# Altium PCB FlatSat.PcbDoc (part 11 of 12)
Units mil, origin at the board's own origin, x right, y up, seen from the top; angles counter-clockwise.
Board outline 4682 x 22047 mil, 4 copper layers (Top Layer, STR GND 1, STR GND 2, Bottom Layer), stack 33.434 mil thick; 381 components, 345 nets, 1605 pads, 1915 vias.
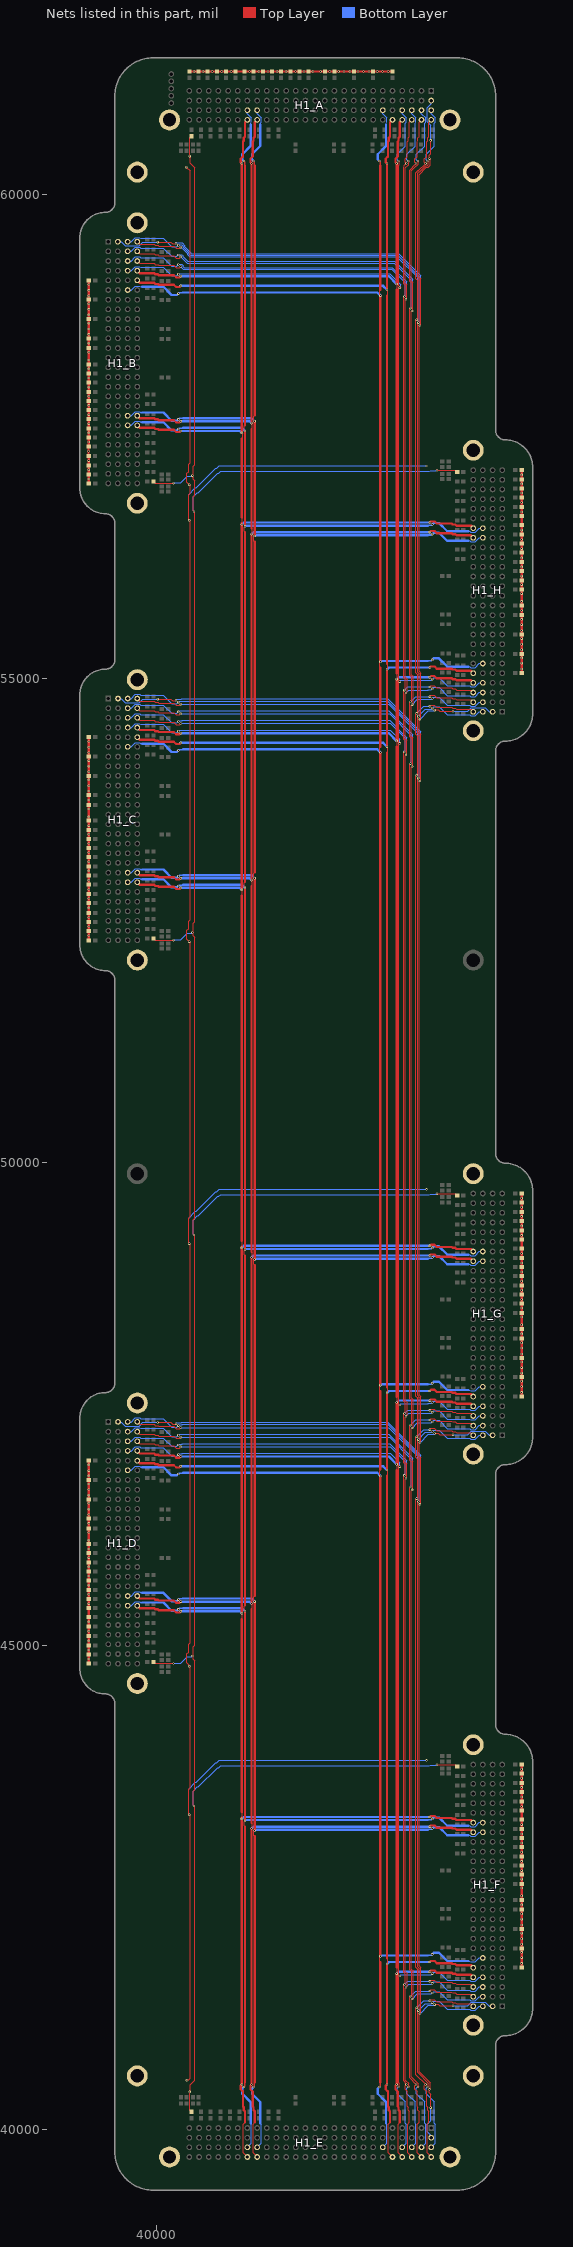
[diagram p13: the nets of this part, all layers, seen from the top]

## Via types
v1: diameter 24, hole 8, Top Layer to Bottom Layer, 1915 vias

## Nets (pads, with @x,y where several pads share a name; then routed paths per layer and width w, separated by ;. In a path a pad name is that pad's centre, name@x,y a point inside that pad or via, vN(x,y) a via of type N, cw(c..) or ccw(c..) an arc to the next point about the centre after c; other vN are vias at no path point) (continued)
RBF_SW_1: H1_A.89 H1_B.89 H1_C.89 H1_D.89 H1_E.89 H1_F.89 H1_G.89 H1_H.89 | length 32694.2
  Top Layer w8: 41012,43028 41004,43036 41004,43080 v1(41012,43088) ; v1(41012,45455) 41004,45463 41004,45507 41012,45515 ; 41012,48933 41004,48941 41004,48985 v1(41012,48993) ; v1(41012,52935) 41004,52943 41004,52987 41012,52995 ; 41012,56413 41004,56421 41004,56465 v1(41012,56473) ; v1(41012,57660) 41004,57668 41004,57712 41012,57720
  Top Layer w16: v1(41000,40436) 41009,40445 41009,40475 41012,40478 41012,40483 ; v1(41000,60351) 41009,60342 41009,60312 41012,60309 41012,60304
  Top Layer w24: 41012,40483 41012,43028 ; v1(41012,43088) v1(41012,45455) ; 41012,45515 41012,48933 ; v1(41012,48993) v1(41012,52935) ; 41012,52995 41012,56413 ; v1(41012,56473) v1(41012,57660) ; 41012,57720 41012,60304
  Bottom Layer w8: H1_D.89@39698,45512 39735,45512 39777.53,45554.53 39823.47,45554.53 39833,45545 39848,45545 ; H1_C.89@39698,52992 39735,52992 39777.53,53034.53 39823.47,53034.53 39833,53025 39848,53025 ; H1_B.89@39698,57717 39735,57717 39776.53,57758.53 39824.47,57758.53 39833,57750 39848,57750 ; H1_E.89@41037,39812 41078.53,39853.53 41078.53,40052.47 41070,40061 ; H1_A.89@41037,60876 41037,60839 41078.53,60797.47 41078.53,60749.53 41070,60741 41070,60726 ; 43223,43038 43238,43038 43247.53,43028.47 43293.47,43028.47 43336,43071 H1_F.89@43373,43071 ; 43223,48943 43238,48943 43247.53,48933.47 43293.47,48933.47 43336,48976 H1_G.89@43373,48976 ; 43223,56423 43238,56423 43247.53,56413.47 43293.47,56413.47 43336,56456 H1_H.89@43373,56456
  Bottom Layer w16: v1(40223,45475) 40232,45484 40262,45484 ; v1(40223,52955) 40232,52964 40262,52964 ; v1(40223,57680) 40232,57689 40262,57689 ; 40265,45487 40270,45487 ; 40265,52967 40270,52967 ; 40265,57692 40270,57692 ; 42801,43096 42806,43096 ; 42801,49001 42806,49001 ; 42801,56481 42806,56481 ; 42809,43099 42839,43099 v1(42848,43108) ; 42809,49004 42839,49004 v1(42848,49013) ; 42809,56484 42839,56484 v1(42848,56493)
  Bottom Layer w22: 40208,45460 v1(40223,45475) ; 40208,52940 v1(40223,52955) ; 40208,57665 v1(40223,57680) ; 40985,40421 v1(41000,40436) ; 40985,60366 v1(41000,60351) ; v1(42848,43108) 42863,43123 ; v1(42848,49013) 42863,49028 ; v1(42848,56493) 42863,56508
  Bottom Layer w24: 39848,45545 40068,45545 40153,45460 40208,45460 ; 39848,53025 40068,53025 40153,52940 40208,52940 ; 39848,57750 40068,57750 40153,57665 40208,57665 ; 40270,45487 40980,45487 v1(41012,45455) ; 40270,52967 40980,52967 v1(41012,52935) ; 40270,57692 40980,57692 v1(41012,57660) ; 40985,40421 40985,40366 41070,40281 41070,40061 ; 40985,60366 40985,60421 41070,60506 41070,60726 ; v1(41012,43088) 41020,43096 42801,43096 ; v1(41012,48993) 41020,49001 42801,49001 ; v1(41012,56473) 41020,56481 42801,56481 ; 42863,43123 42918,43123 43003,43038 43223,43038 ; 42863,49028 42918,49028 43003,48943 43223,48943 ; 42863,56508 42918,56508 43003,56423 43223,56423
RBF_SW_2: H1_A.90 H1_B.90 H1_C.90 H1_D.90 H1_E.90 H1_F.90 H1_G.90 H1_H.90 | length 31852.9
  Top Layer w8: 40980,57580 40988,57588 40988,57632 v1(40980,57640) ; 41012,40069 40995.47,40052.47 40995.47,39753.53 H1_E.90@41037,39712
  Top Layer w12: v1@40980,43107 40986,43113 40986,43162 40980,43168 ; 40980,45375 40986,45381 40986,45429 v1(40980,45435) ; v1@40980,49012 40986,49018 40986,49067 40980,49073 ; 40980,52855 40986,52861 40986,52909 v1(40980,52915) ; v1@40980,56492 40986,56498 40986,56547 40980,56553
  Top Layer w22: 40177,45466 40200,45443 40236.25,45443 v1@40248.13,45454.87 ; 40177,52946 40200,52923 40236.25,52923 v1@40248.13,52934.87 ; 40177,57671 40200,57648 40236.25,57648 v1@40248.13,57659.87 ; v1@40979.87,40461.13 40968,40449.25 40968,40413 40991,40390 ; v1@40979.87,60325.87 40968,60337.75 40968,60374 40991,60397 ; v1@42822.87,43128.13 42834.75,43140 42871,43140 42894,43117 ; v1@42822.87,49033.13 42834.75,49045 42871,49045 42894,49022 ; v1@42822.87,56513.13 42834.75,56525 42871,56525 42894,56502
  Top Layer w24: H1_D.90@39798,45512 39823,45487 39972,45487 39984,45475 40012.6,45475 40021.6,45466 40177,45466 ; H1_C.90@39798,52992 39823,52967 39972,52967 39984,52955 40012.6,52955 40021.6,52946 40177,52946 ; H1_B.90@39798,57717 39823,57692 39972,57692 39984,57680 40012.6,57680 40021.6,57671 40177,57671 ; v1(40980,40461) v1@40980,43107 ; 40980,43168 40980,45375 ; v1(40980,45435) v1@40980,49012 ; 40980,49073 40980,52855 ; v1(40980,52915) v1@40980,56492 ; 40980,56553 40980,57580 ; v1(40980,57640) v1(40980,60326) ; 40991,40390 40991,40234.6 41000,40225.6 41000,40197 41012,40185 41012,40069 ; 40991,60397 40991,60552.4 41000,60561.4 41000,60590 41012,60602 41012,60751 H1_A.90@41037,60776 ; 42894,43117 43049.4,43117 43058.4,43108 43087,43108 43099,43096 43248,43096 H1_F.90@43273,43071 ; 42894,49022 43049.4,49022 43058.4,49013 43087,49013 43099,49001 43248,49001 H1_G.90@43273,48976 ; 42894,56502 43049.4,56502 43058.4,56493 43087,56493 43099,56481 43248,56481 H1_H.90@43273,56456
  Bottom Layer w24: v1(40248,45455) 40960,45455 v1(40980,45435) ; v1(40248,52935) 40960,52935 v1(40980,52915) ; v1(40248,57660) 40960,57660 v1(40980,57640) ; v1(40980,43108) 41000,43128 v1(42823,43128) ; v1(40980,49013) 41000,49033 v1(42823,49033) ; v1(40980,56493) 41000,56513 v1(42823,56513)
RESERVED_1: H1_A.2 H1_B.2 H1_C.2 H1_D.2 H1_E.2 H1_F.2 H1_G.2 H1_H.2 | length 35350.5
  Top Layer w8: v1(40009,47307) 40146,47307 40163,47290 40193,47290 v1(40198,47295) ; v1(40009,54787) 40146,54787 40163,54770 40193,54770 v1(40198,54775) ; v1(40009,59512) 40146,59512 40163,59495 40193,59495 v1(40198,59500) ; v1(42720,58650) 42712,58650 42712,55073.47 42731.25,55054.22 42731.25,54591.25 v1(42720,54580) 42712,54572 42712,54439.37 42729,54422.37 42729,53949 v1(42720,53940) 42712,53932 42712,47593.47 42731.25,47574.22 42731.25,47111.25 v1(42720,47100) 42712,47092 42712,46959.37 42729,46942.37 42729,46469 v1(42720,46460) 42712,46452 42712,41688.47 42731.25,41669.22 42731.25,41206.25 v1(42720,41195) 42712,41187 42712,40594.63 42829,40477.63 42829,40420 v1(42820,40411) 42815,40406 42815,40376 42832,40359 v1(42832,40222) ; v1@42728,58650 42728,59132.53 42712,59148.53 42712,60210.92 42787.08,60286 42805.63,60286 42829,60309.37 42829,60367 v1(42820,60376) 42815,60381 42815,60411 42832,60428 v1(42832,60565) ; v1(42873,41288) 42878,41293 42908,41293 42925,41276 v1(43062,41276) ; v1(42873,47193) 42878,47198 42908,47198 42925,47181 v1(43062,47181) ; v1(42873,54673) 42878,54678 42908,54678 42925,54661 v1(43062,54661)
  Bottom Layer w8: H1_D.2@39598,47312 39631,47312 39672.47,47270.53 39818.53,47270.53 39855,47307 v1(40009,47307) ; H1_C.2@39598,54792 39631,54792 39672.47,54750.53 39818.53,54750.53 39855,54787 v1(40009,54787) ; H1_B.2@39598,59517 39631,59517 39673,59475 39818,59475 39855,59512 v1(40009,59512) ; v1(40198,47295) 40207,47304 40252.41,47304 40259.41,47311 42387,47311 42729,46969 42729,46469 v1(42720,46460) ; v1(40198,54775) 40207,54784 40252.41,54784 40259.41,54791 42387,54791 42729,54449 42729,53949 v1(42720,53940) ; v1(40198,59500) 40202,59504 40260.57,59504 40288.82,59475.75 40288.82,59466.25 40352,59403.08 40352,59396.45 40356.45,59392 42500,59392 42728,59164 v1@42728,58650 ; v1@42722,41195 42806,41279 42864,41279 v1(42873,41288) ; v1@42722,47100 42806,47184 42864,47184 v1(42873,47193) ; v1@42722,54580 42806,54664 42864,54664 v1(42873,54673) ; v1(42832,40222) 42832,40089 42795.47,40052.47 42795.47,39972.53 42837,39931 H1_E.2@42837,39912 ; v1(42832,60565) 42832,60719 42795,60756 42795,60901 42837,60943 H1_A.2@42837,60976 ; v1(43062,41276) 43216,41276 43252.47,41312.47 43398.53,41312.47 43440,41271 H1_F.2@43473,41271 ; v1(43062,47181) 43216,47181 43252.47,47217.47 43398.53,47217.47 43440,47176 H1_G.2@43473,47176 ; v1(43062,54661) 43216,54661 43252.47,54697.47 43398.53,54697.47 43440,54656 H1_H.2@43473,54656
RESERVED_2: H1_A.53 H1_B.53 H1_C.53 H1_D.53 H1_E.53 H1_F.53 H1_G.53 H1_H.53 | length 34777.2
  Top Layer w8: 42696,54601 42696,54432.75 42713,54415.75 42713,53979 v1(42704,53970) 42696,53962 42696,47586.84 42715.25,47567.59 42715.25,47141.25 v1(42704,47130) 42696,47122 42696,46952.75 42713,46935.75 42713,46499 v1(42704,46490) 42696,46482 42696,41681.84 42715.25,41662.59 42715.25,41236.25 v1(42704,41225) 42696,41217 42696,40588 42809,40475 42809,40445 v1(42800,40436) ; v1@42696,54602 v1(42704,54610) 42715.25,54621.25 42715.25,55047.59 42696,55066.84 42696,58680 v1(42704,58680) ; v1@42712,58680 42712,59125.9 42696,59141.9 42696,60223.37 42710.63,60238 42716.45,60238 42780.45,60302 42799,60302 42809,60312 42809,60342 v1(42800,60351)
  Bottom Layer w8: H1_D.53@39698,47312 39735,47312 39778,47355 39823,47355 39833,47345 40068,47345 40153,47260 40208,47260 v1(40223,47275) 40232,47284 40262,47284 40265,47287 42387.53,47287 42712,46962.53 42712,46497 v1@42705,46490 ; H1_C.53@39698,54792 39735,54792 39778,54835 39823,54835 39833,54825 40068,54825 40153,54740 40208,54740 v1(40223,54755) 40232,54764 40262,54764 40265,54767 42387.53,54767 42712,54442.53 42712,53977 v1@42705,53970 ; H1_B.53@39698,59517 39735,59517 39776.53,59558.53 39824.47,59558.53 39833,59550 40068,59550 40153,59465 40208,59465 v1(40223,59480) 40227,59484 40257.94,59484 40272.82,59469.12 40272.82,59459.63 40336,59396.45 40336,59386.96 40346.96,59376 42489.47,59376 42712,59153.47 v1@42712,58680 ; v1(42704,41225) 42778,41299 42839,41299 v1(42848,41308) 42863,41323 42918,41323 43003,41238 43238,41238 43248,41228 43293,41228 43336,41271 H1_F.53@43373,41271 ; v1(42704,47130) 42778,47204 42839,47204 v1(42848,47213) 42863,47228 42918,47228 43003,47143 43238,47143 43248,47133 43293,47133 43336,47176 H1_G.53@43373,47176 ; v1(42704,54610) 42778,54684 42839,54684 v1(42848,54693) 42863,54708 42918,54708 43003,54623 43238,54623 43248,54613 43293,54613 43336,54656 H1_H.53@43373,54656 ; v1(42800,40436) 42785,40421 42785,40366 42870,40281 42870,40061 42878.53,40052.47 42878.53,39853.53 H1_E.53@42837,39812 ; v1(42800,60351) 42785,60366 42785,60421 42870,60506 42870,60741 42878.53,60749.53 42878.53,60797.47 42837,60839 H1_A.53@42837,60876
RESERVED_3: H1_A.55 H1_B.55 H1_C.55 H1_D.55 H1_E.55 H1_F.55 H1_G.55 H1_H.55 | length 34175.6
  Top Layer w8: v1(42640,58800) 42632,58800 42632,55040.33 42651.25,55021.08 42651.25,54741.25 v1(42640,54730) 42632,54722 42632,54405.37 42649,54388.37 42649,54099 v1(42640,54090) 42632,54082 42632,47560.33 42651.25,47541.08 42651.25,47261.25 v1(42640,47250) 42632,47242 42632,46925.37 42649,46908.37 42649,46619 v1(42640,46610) 42632,46602 42632,41655.33 42651.25,41636.08 42651.25,41356.25 v1(42640,41345) 42632,41337 42632,40542.94 42704,40470.94 42704,40450 42709,40445 v1(42700,40436) ; v1@42648,58800 42648,59099.39 42632,59115.39 42632,60250.75 42683.25,60302 42689.94,60302 42704,60316.06 42704,60337 42709,60342 v1(42700,60351)
  Bottom Layer w8: H1_D.55@39698,47212 39735,47212 39777.53,47254.53 39823.47,47254.53 39833,47245 40068,47245 40153,47160 40208,47160 v1(40223,47175) 40232,47184 40262,47184 40265,47187 42397.02,47187 42648,46936.02 42648,46618 v1(42640,46610) ; H1_C.55@39698,54692 39735,54692 39777.53,54734.53 39823.47,54734.53 39833,54725 40068,54725 40153,54640 40208,54640 v1(40223,54655) 40232,54664 40262,54664 40265,54667 42397.02,54667 42648,54416.02 42648,54098 v1(42640,54090) ; H1_B.55@39698,59417 39735,59417 39776.53,59458.53 39824.47,59458.53 39833,59450 40068,59450 40153,59365 40208,59365 v1(40223,59380) 40227,59384 40257.94,59384 40272,59369.94 40272,59360.45 40320.45,59312 42462.96,59312 42648,59126.96 v1@42648,58800 ; v1(42640,41345) 42694,41399 42839,41399 v1(42848,41408) 42863,41423 42918,41423 43003,41338 43238,41338 43247.53,41328.47 43293.47,41328.47 43336,41371 H1_F.55@43373,41371 ; v1(42640,47250) 42694,47304 42839,47304 v1(42848,47313) 42863,47328 42918,47328 43003,47243 43238,47243 43247.53,47233.47 43293.47,47233.47 43336,47276 H1_G.55@43373,47276 ; v1(42640,54730) 42694,54784 42839,54784 v1(42848,54793) 42863,54808 42918,54808 43003,54723 43238,54723 43247.53,54713.47 43293.47,54713.47 43336,54756 H1_H.55@43373,54756 ; v1(42700,40436) 42685,40421 42685,40366 42770,40281 42770,40061 42778.53,40052.47 42778.53,39853.53 H1_E.55@42737,39812 ; v1(42700,60351) 42685,60366 42685,60421 42770,60506 42770,60741 42778.53,60749.53 42778.53,60797.47 42737,60839 H1_A.55@42737,60876
RESERVED_4: H1_A.57 H1_B.57 H1_C.57 H1_D.57 H1_E.57 H1_F.57 H1_G.57 H1_H.57 | length 33581.2
  Top Layer w8: v1(42576,58920) 42568,58920 42568,55013.82 42587.25,54994.57 42587.25,54861.25 v1(42576,54850) 42568,54842 42568,54377.12 42585,54360.12 42585,54219 v1(42576,54210) 42568,54202 42568,47533.82 42587.25,47514.57 42587.25,47381.25 v1(42576,47370) 42568,47362 42568,46897.12 42585,46880.12 42585,46739 v1(42576,46730) 42568,46722 42568,41628.82 42587.25,41609.57 42587.25,41476.25 v1(42576,41465) 42568,41457 42568,40508.25 42604,40472.25 42604,40450 42609,40445 v1(42600,40436) ; v1@42584,58920 42584,59072.88 42568,59088.88 42568,60278.75 42604,60314.75 42604,60337 42609,60342 v1(42600,60351)
  Bottom Layer w8: H1_D.57@39698,47112 39735,47112 39777.53,47154.53 39823.47,47154.53 39833,47145 40068,47145 40153,47060 40208,47060 v1(40223,47075) 40232,47084 40262,47084 40265,47087 42406.51,47087 42584,46909.51 42584,46739 v1@42577,46732 ; H1_C.57@39698,54592 39735,54592 39777.53,54634.53 39823.47,54634.53 39833,54625 40068,54625 40153,54540 40208,54540 v1(40223,54555) 40232,54564 40262,54564 40265,54567 42406.51,54567 42584,54389.51 42584,54219 v1@42577,54212 ; H1_B.57@39698,59317 39735,59317 39776.53,59358.53 39824.47,59358.53 39833,59350 40068,59350 40153,59265 40208,59265 v1(40223,59280) 40227,59284 40257.94,59284 40272,59269.94 40272,59258.63 40282.63,59248 42436.45,59248 42584,59100.45 v1@42584,58920 ; v1@42576,41466 42606,41496 42806,41496 42809,41499 42839,41499 v1(42848,41508) 42863,41523 42918,41523 43003,41438 43238,41438 43247.53,41428.47 43293.47,41428.47 43336,41471 H1_F.57@43373,41471 ; v1@42576,47371 42606,47401 42806,47401 42809,47404 42839,47404 v1(42848,47413) 42863,47428 42918,47428 43003,47343 43238,47343 43247.53,47333.47 43293.47,47333.47 43336,47376 H1_G.57@43373,47376 ; v1@42576,54851 42606,54881 42806,54881 42809,54884 42839,54884 v1(42848,54893) 42863,54908 42918,54908 43003,54823 43238,54823 43247.53,54813.47 43293.47,54813.47 43336,54856 H1_H.57@43373,54856 ; v1(42600,40436) 42585,40421 42585,40366 42670,40281 42670,40061 42678.53,40052.47 42678.53,39853.53 H1_E.57@42637,39812 ; v1(42600,60351) 42585,60366 42585,60421 42670,60506 42670,60741 42678.53,60749.53 42678.53,60797.47 42637,60839 H1_A.57@42637,60876
RESERVED_5: H1_A.59 H1_B.59 H1_C.59 H1_D.59 H1_E.59 H1_F.59 H1_G.59 H1_H.59 | length 32944.5
  Top Layer w8: v1(42500,40436) 42509,40445 42509,40475 42504,40480 42504,41575 v1(42512,41583) 42504,41591 42504,46842 v1(42512,46850) 42504,46858 42504,47480 v1(42512,47488) 42504,47496 42504,54322 v1(42512,54330) 42504,54338 42504,54960 v1(42512,54968) 42504,54976 42504,59040 v1(42512,59040) ; v1(42500,60351) 42509,60342 42509,60312 42504,60307 42504,59062.37 42520,59046.37 v1@42520,59040
  Bottom Layer w8: H1_D.59@39698,47012 39735,47012 39777.53,47054.53 39823.47,47054.53 39833,47045 40068,47045 40153,46960 40208,46960 v1(40223,46975) 40232,46984 40262,46984 40265,46987 42416,46987 42512,46891 v1(42512,46850) ; H1_C.59@39698,54492 39735,54492 39777.53,54534.53 39823.47,54534.53 39833,54525 40068,54525 40153,54440 40208,54440 v1(40223,54455) 40232,54464 40262,54464 40265,54467 42416,54467 42512,54371 v1(42512,54330) ; H1_B.59@39698,59217 39735,59217 39776.53,59258.53 39824.47,59258.53 39833,59250 40068,59250 40153,59165 40208,59165 v1(40223,59180) 40227,59184 42409.94,59184 42520,59073.94 v1@42520,59040 ; v1(42500,40436) 42485,40421 42485,40366 42570,40281 42570,40061 42578.53,40052.47 42578.53,39853.53 H1_E.59@42537,39812 ; v1(42500,60351) 42485,60366 42485,60421 42570,60506 42570,60741 42578.53,60749.53 42578.53,60797.47 42537,60839 H1_A.59@42537,60876 ; v1@42511,41583 42524,41596 42806,41596 42809,41599 42839,41599 v1(42848,41608) 42863,41623 42918,41623 43003,41538 43238,41538 43247.53,41528.47 43293.47,41528.47 43336,41571 H1_F.59@43373,41571 ; v1@42511,47488 42524,47501 42806,47501 42809,47504 42839,47504 v1(42848,47513) 42863,47528 42918,47528 43003,47443 43238,47443 43247.53,47433.47 43293.47,47433.47 43336,47476 H1_G.59@43373,47476 ; v1@42511,54968 42524,54981 42806,54981 42809,54984 42839,54984 v1(42848,54993) 42863,55008 42918,55008 43003,54923 43238,54923 43247.53,54913.47 43293.47,54913.47 43336,54956 H1_H.59@43373,54956
RESERVED_6: H1_A.54 H1_B.54 H1_C.54 H1_D.54 H1_E.54 H1_F.54 H1_G.54 H1_H.54 | length 33761.6
  Top Layer w8: H1_D.54@39798,47312 39823,47287 39972,47287 39984,47275 40012.6,47275 40021.6,47266 40177,47266 40200,47243 40236.25,47243 v1@40248.13,47254.87 ; H1_C.54@39798,54792 39823,54767 39972,54767 39984,54755 40012.6,54755 40021.6,54746 40177,54746 40200,54723 40236.25,54723 v1@40248.13,54734.87 ; H1_B.54@39798,59517 39823,59492 39972,59492 39984,59480 40012.6,59480 40021.6,59471 40177,59471 40200,59448 40236.25,59448 v1@40248.13,59459.87 ; v1(42688,58710) 42680,58710 42680,55060.22 42699.25,55040.96 42699.25,54651.25 v1(42688,54640) 42680,54632 42680,54426.12 42697,54409.12 42697,54009 v1(42688,54000) 42680,53992 42680,47580.22 42699.25,47560.96 42699.25,47171.25 v1(42688,47160) 42680,47152 42680,46946.12 42697,46929.12 42697,46529 v1(42688,46520) 42680,46512 42680,41675.22 42699.25,41655.96 42699.25,41266.25 v1(42688,41255) 42680,41247 42680,40562.82 42780,40462.82 v1(42780,40461) ; v1@42696,58710 42696,59119.27 42680,59135.27 42680,60230 42704,60254 42709.82,60254 42780,60324.18 v1(42780,60326) ; v1@42779.87,40461.13 42768,40449.25 42768,40413 42791,40390 42791,40234.6 42800,40225.6 42800,40197 42812,40185 42812,40069 42795.47,40052.47 42795.47,39753.53 H1_E.54@42837,39712 ; v1@42779.87,60325.87 42768,60337.75 42768,60374 42791,60397 42791,60552.4 42800,60561.4 42800,60590 42812,60602 42812,60751 H1_A.54@42837,60776 ; v1@42822.87,41328.13 42834.75,41340 42871,41340 42894,41317 43049.4,41317 43058.4,41308 43087,41308 43099,41296 43248,41296 H1_F.54@43273,41271 ; v1@42822.87,47233.13 42834.75,47245 42871,47245 42894,47222 43049.4,47222 43058.4,47213 43087,47213 43099,47201 43248,47201 H1_G.54@43273,47176 ; v1@42822.87,54713.13 42834.75,54725 42871,54725 42894,54702 43049.4,54702 43058.4,54693 43087,54693 43099,54681 43248,54681 H1_H.54@43273,54656
  Bottom Layer w8: v1(40248,47255) 42396.9,47255 42696,46955.9 42696,46540.06 42688,46532.06 v1(42688,46520) ; v1(40248,54735) 42396.9,54735 42696,54435.9 42696,54020.06 42688,54012.06 v1(42688,54000) ; v1(40248,59460) 40271,59437 40272.82,59437 40320,59389.82 40320,59380.33 40340.33,59360 42482.84,59360 42696,59146.84 v1@42696,58710 ; v1(42688,41255) 42761,41328 v1(42823,41328) ; v1(42688,47160) 42761,47233 v1(42823,47233) ; v1(42688,54640) 42761,54713 v1(42823,54713)
RESERVED_7: H1_A.56 H1_B.56 H1_C.56 H1_D.56 H1_E.56 H1_F.56 H1_G.56 H1_H.56 | length 33170.7
  Top Layer w8: H1_D.56@39798,47212 39823,47187 39972,47187 39984,47175 40012.6,47175 40021.6,47166 40177,47166 40200,47143 40236.25,47143 v1@40248.13,47154.87 ; H1_C.56@39798,54692 39823,54667 39972,54667 39984,54655 40012.6,54655 40021.6,54646 40177,54646 40200,54623 40236.25,54623 v1@40248.13,54634.87 ; H1_B.56@39798,59417 39823,59392 39972,59392 39984,59380 40012.6,59380 40021.6,59371 40177,59371 40200,59348 40236.25,59348 v1@40248.13,59359.87 ; v1(42624,58830) 42616,58830 42616,55033.71 42635.25,55014.45 42635.25,54771.25 v1(42624,54760) 42616,54752 42616,54397 42633,54380 42633,54129 v1(42624,54120) 42616,54112 42616,47553.71 42635.25,47534.45 42635.25,47291.25 v1(42624,47280) 42616,47272 42616,46917 42633,46900 42633,46649 v1(42624,46640) 42616,46632 42616,41648.71 42635.25,41629.45 42635.25,41386.25 v1(42624,41375) 42616,41367 42616,40529.63 42680,40465.63 v1(42680,40461) ; v1@42632,58830 42632,59092.76 42616,59108.76 42616,60257.37 42680,60321.37 v1(42680,60326) ; v1@42679.87,40461.13 42668,40449.25 42668,40413 42691,40390 42691,40234.6 42700,40225.6 42700,40197 42712,40185 42712,40069 42695.47,40052.47 42695.47,39753.53 H1_E.56@42737,39712 ; v1@42679.87,60325.87 42668,60337.75 42668,60374 42691,60397 42691,60552.4 42700,60561.4 42700,60590 42712,60602 42712,60751 H1_A.56@42737,60776 ; v1@42822.87,41428.13 42834.75,41440 42871,41440 42894,41417 43049.4,41417 43058.4,41408 43087,41408 43099,41396 43248,41396 H1_F.56@43273,41371 ; v1@42822.87,47333.13 42834.75,47345 42871,47345 42894,47322 43049.4,47322 43058.4,47313 43087,47313 43099,47301 43248,47301 H1_G.56@43273,47276 ; v1@42822.87,54813.13 42834.75,54825 42871,54825 42894,54802 43049.4,54802 43058.4,54793 43087,54793 43099,54781 43248,54781 H1_H.56@43273,54756
  Bottom Layer w8: v1(40248,47155) 42406.39,47155 42632,46929.39 42632,46660.06 42624,46652.06 v1(42624,46640) ; v1(40248,54635) 42406.39,54635 42632,54409.39 42632,54140.06 42624,54132.06 v1(42624,54120) ; v1(40248,59360) 40249.82,59360 40313.82,59296 42456.33,59296 42632,59120.33 v1@42632,58830 ; v1(42624,41375) 42624,41377 42675,41428 v1(42823,41428) ; v1(42624,47280) 42624,47282 42675,47333 v1(42823,47333) ; v1(42624,54760) 42624,54762 42675,54813 v1(42823,54813)
RESERVED_8: H1_A.58 H1_B.58 H1_C.58 H1_D.58 H1_E.58 H1_F.58 H1_G.58 H1_H.58 | length 32579.6
  Top Layer w8: H1_D.58@39798,47112 39823,47087 39972,47087 39984,47075 40012.6,47075 40021.6,47066 40177,47066 40200,47043 40236.25,47043 v1@40248.13,47054.87 ; H1_C.58@39798,54592 39823,54567 39972,54567 39984,54555 40012.6,54555 40021.6,54546 40177,54546 40200,54523 40236.25,54523 v1@40248.13,54534.87 ; H1_B.58@39798,59317 39823,59292 39972,59292 39984,59280 40012.6,59280 40021.6,59271 40177,59271 40200,59248 40236.25,59248 v1@40248.13,59259.87 ; v1(42560,58950) 42552,58950 42552,55007.2 42571.25,54987.94 42571.25,54891.25 v1(42560,54880) 42552,54872 42552,54370 42569,54353 42569,54249 v1(42560,54240) 42552,54232 42552,47527.2 42571.25,47507.94 42571.25,47411.25 v1(42560,47400) 42552,47392 42552,46890 42569,46873 42569,46769 v1(42560,46760) 42552,46752 42552,41622.2 42571.25,41602.94 42571.25,41506.25 v1(42560,41495) 42552,41487 42552,40501.63 42563.31,40490.31 42563.31,40489.31 42568,40484.63 42568,40473 v1@42579.87,40461.13 ; v1@42568,58950 42568,59066.25 42552,59082.25 42552,60285.37 42561,60294.37 42561,60307 v1@42579.87,60325.87 ; v1(42580,40461) v1@42579.87,40461.13 ; v1(42580,60326) v1@42579.87,60325.87 ; H1_E.58@42637,39712 42595.47,39753.53 42595.47,40052.47 42612,40069 42612,40185 42600,40197 42600,40225.6 42591,40234.6 42591,40390 42568,40413 42568,40449.25 v1@42579.87,40461.13 ; H1_A.58@42637,60776 42612,60751 42612,60602 42600,60590 42600,60561.4 42591,60552.4 42591,60397 42568,60374 42568,60337.75 v1@42579.87,60325.87 ; v1@42822.87,41528.13 42834.75,41540 42871,41540 42894,41517 43049.4,41517 43058.4,41508 43087,41508 43099,41496 43248,41496 H1_F.58@43273,41471 ; v1@42822.87,47433.13 42834.75,47445 42871,47445 42894,47422 43049.4,47422 43058.4,47413 43087,47413 43099,47401 43248,47401 H1_G.58@43273,47376 ; v1@42822.87,54913.13 42834.75,54925 42871,54925 42894,54902 43049.4,54902 43058.4,54893 43087,54893 43099,54881 43248,54881 H1_H.58@43273,54856
  Bottom Layer w8: v1(40248,47055) 42415.88,47055 42568,46902.88 42568,46780.06 42560,46772.06 v1@42560,46761 ; v1(40248,54535) 42415.88,54535 42568,54382.88 42568,54260.06 42560,54252.06 v1@42560,54241 ; v1(40248,59260) 40276,59232 42429.82,59232 42568,59093.82 v1@42568,58950 ; v1(42560,41495) 42593,41528 v1(42823,41528) ; v1(42560,47400) 42593,47433 v1(42823,47433) ; v1(42560,54880) 42593,54913 v1(42823,54913)
SEP_SW1: H1_A.91 H1_B.91 H1_C.91 H1_D.91 H1_E.91 H1_F.91 H1_G.91 H1_H.91 | length 32694.2
  Top Layer w8: 40912,43128 40904,43136 40904,43180 v1(40912,43188) ; v1(40912,45355) 40904,45363 40904,45407 40912,45415 ; 40912,49033 40904,49041 40904,49085 v1(40912,49093) ; v1(40912,52835) 40904,52843 40904,52887 40912,52895 ; 40912,56513 40904,56521 40904,56565 v1(40912,56573) ; v1(40912,57560) 40904,57568 40904,57612 40912,57620
  Top Layer w16: v1(40900,40436) 40909,40445 40909,40475 40912,40478 40912,40483 ; v1(40900,60351) 40909,60342 40909,60312 40912,60309 40912,60304
  Top Layer w24: 40912,40483 40912,43128 ; v1(40912,43188) v1(40912,45355) ; 40912,45415 40912,49033 ; v1(40912,49093) v1(40912,52835) ; 40912,52895 40912,56513 ; v1(40912,56573) v1(40912,57560) ; 40912,57620 40912,60304
  Bottom Layer w8: H1_D.91@39698,45412 39735,45412 39777.53,45454.53 39823.47,45454.53 39833,45445 39848,45445 ; H1_C.91@39698,52892 39735,52892 39777.53,52934.53 39823.47,52934.53 39833,52925 39848,52925 ; H1_B.91@39698,57617 39735,57617 39776.53,57658.53 39824.47,57658.53 39833,57650 39848,57650 ; H1_E.91@40937,39812 40978.53,39853.53 40978.53,40052.47 40970,40061 ; H1_A.91@40937,60876 40937,60839 40978.53,60797.47 40978.53,60749.53 40970,60741 40970,60726 ; 43223,43138 43238,43138 43247.53,43128.47 43293.47,43128.47 43336,43171 H1_F.91@43373,43171 ; 43223,49043 43238,49043 43247.53,49033.47 43293.47,49033.47 43336,49076 H1_G.91@43373,49076 ; 43223,56523 43238,56523 43247.53,56513.47 43293.47,56513.47 43336,56556 H1_H.91@43373,56556
  Bottom Layer w16: v1(40223,45375) 40232,45384 40262,45384 ; v1(40223,52855) 40232,52864 40262,52864 ; v1(40223,57580) 40232,57589 40262,57589 ; 40265,45387 40270,45387 ; 40265,52867 40270,52867 ; 40265,57592 40270,57592 ; 42801,43196 42806,43196 ; 42801,49101 42806,49101 ; 42801,56581 42806,56581 ; 42809,43199 42839,43199 v1(42848,43208) ; 42809,49104 42839,49104 v1(42848,49113) ; 42809,56584 42839,56584 v1(42848,56593)
  Bottom Layer w22: 40208,45360 v1(40223,45375) ; 40208,52840 v1(40223,52855) ; 40208,57565 v1(40223,57580) ; 40885,40421 v1(40900,40436) ; 40885,60366 v1(40900,60351) ; v1(42848,43208) 42863,43223 ; v1(42848,49113) 42863,49128 ; v1(42848,56593) 42863,56608
  Bottom Layer w24: 39848,45445 40068,45445 40153,45360 40208,45360 ; 39848,52925 40068,52925 40153,52840 40208,52840 ; 39848,57650 40068,57650 40153,57565 40208,57565 ; 40270,45387 40880,45387 v1(40912,45355) ; 40270,52867 40880,52867 v1(40912,52835) ; 40270,57592 40880,57592 v1(40912,57560) ; 40885,40421 40885,40366 40970,40281 40970,40061 ; 40885,60366 40885,60421 40970,60506 40970,60726 ; v1(40912,43188) 40920,43196 42801,43196 ; v1(40912,49093) 40920,49101 42801,49101 ; v1(40912,56573) 40920,56581 42801,56581 ; 42863,43223 42918,43223 43003,43138 43223,43138 ; 42863,49128 42918,49128 43003,49043 43223,49043 ; 42863,56608 42918,56608 43003,56523 43223,56523
SEP_SW2: H1_A.92 H1_B.92 H1_C.92 H1_D.92 H1_E.92 H1_F.92 H1_G.92 H1_H.92 | length 31842.3
  Top Layer w8: 40880,57480 40888,57488 40888,57532 v1(40880,57540) ; 40912,40069 40895.47,40052.47 40895.47,39753.53 H1_E.92@40937,39712
  Top Layer w12: 40880,43221 40886,43227 40886,43274 40880,43280 ; 40880,45275 40886,45281 40886,45329 v1(40880,45335) ; 40880,49126 40886,49132 40886,49179 40880,49185 ; 40880,52755 40886,52761 40886,52809 v1(40880,52815) ; 40880,56606 40886,56612 40886,56659 40880,56665
  Top Layer w22: 40177,45366 40200,45343 40236.25,45343 v1@40248.13,45354.87 ; 40177,52846 40200,52823 40236.25,52823 v1@40248.13,52834.87 ; 40177,57571 40200,57548 40236.25,57548 v1@40248.13,57559.87 ; v1@40879.87,40461.13 40868,40449.25 40868,40413 40891,40390 ; v1@40879.87,60325.87 40868,60337.75 40868,60374 40891,60397 ; v1@42822.87,43228.13 42834.75,43240 42871,43240 42894,43217 ; v1@42822.87,49133.13 42834.75,49145 42871,49145 42894,49122 ; v1@42822.87,56613.13 42834.75,56625 42871,56625 42894,56602
  Top Layer w24: H1_D.92@39798,45412 39823,45387 39972,45387 39984,45375 40012.6,45375 40021.6,45366 40177,45366 ; H1_C.92@39798,52892 39823,52867 39972,52867 39984,52855 40012.6,52855 40021.6,52846 40177,52846 ; H1_B.92@39798,57617 39823,57592 39972,57592 39984,57580 40012.6,57580 40021.6,57571 40177,57571 ; v1(40880,40461) v1(40880,43208) 40880,43221 ; 40880,43280 40880,45275 ; v1@40880,45345.54 v1(40880,49113) 40880,49126 ; 40880,49185 40880,52755 ; v1(40880,52815) v1(40880,56593) 40880,56606 ; 40880,56665 40880,57480 ; v1(40880,57540) v1(40880,60326) ; 40891,40390 40891,40234.6 40900,40225.6 40900,40197 40912,40185 40912,40069 ; 40891,60397 40891,60552.4 40900,60561.4 40900,60590 40912,60602 40912,60751 H1_A.92@40937,60776 ; 42894,43217 43049.4,43217 43058.4,43208 43087,43208 43099,43196 43248,43196 H1_F.92@43273,43171 ; 42894,49122 43049.4,49122 43058.4,49113 43087,49113 43099,49101 43248,49101 H1_G.92@43273,49076 ; 42894,56602 43049.4,56602 43058.4,56593 43087,56593 43099,56581 43248,56581 H1_H.92@43273,56556
  Bottom Layer w24: v1(40248,45355) 40860,45355 v1(40880,45335) ; v1(40248,52835) 40860,52835 v1(40880,52815) ; v1(40248,57560) 40860,57560 v1(40880,57540) ; v1(40880,43208) 40900,43228 v1(42823,43228) ; v1(40880,49113) 40900,49133 v1(42823,49133) ; v1(40880,56593) 40900,56613 v1(42823,56613)
SPI_CLK: R51_A.1 R51_B.1 R51_C.1 R51_D.1 R51_E.1 R51_F.1 R51_G.1 R51_H.1 | length 30845.4
  Top Layer w8: R51_D.1@39965.48,44832 39982.48,44815 v1(40173,44815) ; R51_C.1@39965.48,52312 39982.48,52295 v1(40173,52295) ; R51_B.1@39965.48,57037 39982.48,57020 v1(40173,57020) ; R51_E.1@40357,40178.48 40340,40195.48 v1(40340,40386) 40340,40395 40345,40400 40345,40460 40392,40507 40392,43341 v1(40384,43341) ; R51_A.1@40357,60608.52 40340,60591.52 v1(40340,60401) 40340,60392 40345,60387 40345,60327 40392,60280 40392,57209.82 40376,57193.82 v1@40376,57103 ; v1(40368,44893) v1@40376,44893 ; v1(40368,52373) v1@40376,52373 ; v1(40368,57098) 40368,57085.94 40376,57077.94 40376,57060 40392,57044 40392,56896.88 40376,56880.88 v1@40376,56734 ; v1@40376,43349 40376,43495.88 40392,43511.88 40392,44843.06 40376,44859.06 v1@40376,44893 ; v1@40376,49254 40376,49400.88 40392,49416.88 40392,52323.06 40376,52339.06 v1@40376,52373 ; v1(40384,49246) 40392,49246 40392,45005.54 40376,44989.54 v1@40376,44893 ; v1(40384,56726) 40392,56726 40392,52485.54 40376,52469.54 v1@40376,52373 ; v1(42898,43768) 43088.52,43768 R51_F.1@43105.52,43751 ; v1(42898,49673) 43088.52,49673 R51_G.1@43105.52,49656 ; v1(42898,57153) 43088.52,57153 R51_H.1@43105.52,57136
  Bottom Layer w8: v1(40173,44815) 40182,44815 40187,44820 40246.94,44820 40313.94,44887 v1@40360,44887 ; v1(40173,52295) 40182,52295 40187,52300 40246.94,52300 40313.94,52367 v1@40360,52367 ; v1(40173,57020) 40182,57020 40187,57025 40246.94,57025 40313.94,57092 v1@40360,57092 ; v1@40376,43348 40376,43495.12 40418.88,43538 40429.88,43538 40630.88,43739 40641.82,43739 40658.82,43756 42818.22,43756 42825.22,43763 42884,43763 42889,43768 v1(42898,43768) ; v1@40376,49253 40376,49400.12 40418.88,49443 40429.88,49443 40630.88,49644 40641.82,49644 40658.82,49661 42818.22,49661 42825.22,49668 42884,49668 42889,49673 v1(42898,49673) ; v1@40376,56733 40376,56880.12 40418.88,56923 40429.88,56923 40630.88,57124 40641.82,57124 40658.82,57141 42818.22,57141 42825.22,57148 42884,57148 42889,57153 v1(42898,57153)
STR_GND_A: H1_A.0 H1_B.0 H1_C.0 H1_D.0 H1_E.0 H1_F.0 H1_G.0 H1_H.0 J40_A.2 J40_B.2 J40_C.2 J40_D.2 J40_F.2 J40_G.2 J40_H.2 J42_A.2 J42_B.2 J42_C.2 J42_D.2 J42_F.2 J42_G.2 J42_H.2 J44_A.2 J44_B.2 J44_C.2 J44_D.2 J44_F.2 J44_G.2 J44_H.2 J45_A.2 J45_B.2 J45_C.2 J45_D.2 J45_F.2 J45_G.2 J45_H.2 J46_A.2 J46_B.2 J46_C.2 J46_D.2 J46_F.2 J46_G.2 J46_H.2 J48_A.2 J48_B.2 J48_C.2 J48_D.2 J48_F.2 J48_G.2 J48_H.2 J50_A.2 J50_B.2 J50_C.2 J50_D.2 J50_F.2 J50_G.2 J50_H.2 J52_A.2 J52_B.2 J52_C.2 J52_D.2 J52_F.2 J52_G.2 J52_H.2 J61_A.1 J61_B.1 J61_C.1 J61_D.1 J61_F.1 J61_G.1 J61_H.1 J66_A.2 J66_B.2 J66_C.2 J66_D.2 J66_F.2 J66_G.2 J66_H.2 J69_A.1 J69_B.1 J69_C.1 J69_D.1 J69_F.1 J69_G.1 J69_H.1 J71_A.1 J71_B.1 J71_C.1 J71_D.1 J71_F.1 J71_G.1 J71_H.1 J74_A.2 J74_B.2 J74_C.2 J74_D.2 J74_F.2 J74_G.2 J74_H.2 J81_A.1 J81_B.1 J81_C.1 J81_D.1 J81_F.1 J81_G.1 J81_H.1 J82_A.2 J82_B.2 J82_C.2 J82_D.2 J82_F.2 J82_G.2 J82_H.2 J83_A.1 J83_B.1 J83_C.1 J83_D.1 J83_F.1 J83_G.1 J83_H.1 J84_A.2 J84_B.2 J84_C.2 J84_D.2 J84_F.2 J84_G.2 J84_H.2 J99_A.1 J99_B.1 J99_C.1 J99_D.1 J99_F.1 J99_G.1 J99_H.1 J100_A.2 J100_B.2 J100_C.2 J100_D.2 J100_F.2 J100_G.2 J100_H.2 pad.7@39798,40551 pad.7@39798,60236 pad.7@43272,40551 pad.7@43272,60236 | length 43234.9
  Top Layer w8: v1(40304,60288) 40344,60248 40344,57229.71 40328,57213.71 40328,57137.2 40312,57121.2 40312,57027 v1(40336,57003) 40344,56995 40344,56916.76 40328,56900.76 40328,56636 v1(40336,56636) 40344,56636 40344,52507.63 40328,52491.63 40328,52412.2 40312,52396.2 40312,52302 40344,52270 40344,49436.76 40328,49420.76 40328,49164 v1(40336,49156) 40344,49148 40344,45027.63 40328,45011.63 40328,44932.2 40312,44916.2 40312,44822 v1@40341.5,44792.5 ; v1(40311,40506) 40311.94,40506.94 40324.06,40506.94 40344,40526.88 40344,43251 v1(40336,43251) 40328,43251 40328,43515.76 40344,43531.76 40344,44787 v1(40336,44787)
  Top Layer w24: J48_D.2@39295.52,45098 J48_D.2@39297.52,45096 ; J48_C.2@39295.52,52578 J48_C.2@39297.52,52576 ; J52_D.2@39297.52,44813 v1(39297.52,44862) J50_D.2@39297.52,44908 v1(39297.52,44955) J100_D.2@39297.52,45002.66 v1(39297.52,45049) J48_D.2@39297.52,45096 ; J61_D.1@39297.52,46913 v1(39297.52,46869) v1(39297.52,46809) v1(39297.52,46755) J66_D.2@39297.52,46713 v1(39297.52,46671) v1(39297.52,46614) v1(39297.52,46556) J69_D.1@39297.52,46513 v1(39297.52,46472) v1(39297.52,46411) v1(39297.52,46356) J71_D.1@39297.52,46313 v1(39297.52,46264) J74_D.2@39297.52,46213 v1(39297.52,46170) v1(39297.52,46090) J81_D.1@39297.52,46050.56 v1(39297.52,45998) J82_D.2@39297.52,45955.9 v1(39297.52,45910) J83_D.1@39297.52,45861.24 v1(39297.52,45813.92) J84_D.2@39297.52,45766.59 v1(39297.52,45720) J40_D.2@39297.52,45671.93 v1(39297.52,45625) J42_D.2@39297.52,45577.28 v1(39297.52,45531) J44_D.2@39297.52,45482.62 v1(39297.52,45434) J45_D.2@39297.52,45387.97 J46_D.2@39297.52,45293.31 v1(39297.52,45246) J99_D.1@39297.52,45198.66 v1(39297.52,45148) J48_D.2@39297.52,45097.31 J48_D.2@39297.52,45096 ; J52_C.2@39297.52,52293 v1(39297.52,52342) J50_C.2@39297.52,52388 v1(39297.52,52435) J100_C.2@39297.52,52482.66 v1(39297.52,52529) J48_C.2@39297.52,52576 ; J61_C.1@39297.52,54393 v1(39297.52,54349) v1(39297.52,54289) v1(39297.52,54235) J66_C.2@39297.52,54193 v1(39297.52,54151) v1(39297.52,54094) v1(39297.52,54036) J69_C.1@39297.52,53993 v1(39297.52,53952) v1(39297.52,53891) v1(39297.52,53836) J71_C.1@39297.52,53793 v1(39297.52,53744) J74_C.2@39297.52,53693 v1(39297.52,53650) v1(39297.52,53570) J81_C.1@39297.52,53530.56 v1(39297.52,53478) J82_C.2@39297.52,53435.9 v1(39297.52,53390) J83_C.1@39297.52,53341.24 v1(39297.52,53293.92) J84_C.2@39297.52,53246.59 v1(39297.52,53200) J40_C.2@39297.52,53151.93 v1(39297.52,53105) J42_C.2@39297.52,53057.28 v1(39297.52,53011) J44_C.2@39297.52,52962.62 v1(39297.52,52914) J45_C.2@39297.52,52867.97 J46_C.2@39297.52,52773.31 v1(39297.52,52726) J99_C.1@39297.52,52678.66 v1(39297.52,52628) J48_C.2@39297.52,52577.31 J48_C.2@39297.52,52576 ; J52_B.2@39297.52,57015.69 v1(39297.52,57063) J50_B.2@39297.52,57110.34 39296.52,57111.34 v1(39296.52,57159) J100_B.2@39296.52,57205 v1(39296.52,57253) J48_B.2@39296.52,57300 39294.52,57302 v1(39294.52,57349.5) J99_B.1@39294.52,57397 39295.52,57398 v1(39295.52,57446) J46_B.2@39295.52,57491.66 39297.52,57493.66 v1(39297.52,57540) J45_B.2@39297.52,57586.31 v1(39297.52,57635) J44_B.2@39297.52,57680.97 v1(39297.52,57728.29) J42_B.2@39297.52,57775.62 v1(39297.52,57824) J40_B.2@39297.52,57870.28 v1(39297.52,57919) J84_B.2@39297.52,57964.93 v1(39297.52,58013) J83_B.1@39297.52,58059.59 v1(39297.52,58108) J82_B.2@39297.52,58154.24 v1(39297.52,58202) J81_B.1@39297.52,58248.9 v1(39297.52,58293) v1(39297.52,58374) J74_B.2@39297.52,58417 v1(39297.52,58468) J71_B.1@39297.52,58517 v1(39297.52,58559) v1(39297.52,58614) v1(39297.52,58675) J69_B.1@39297.52,58717 v1(39297.52,58760) v1(39297.52,58817) v1(39297.52,58875) J66_B.2@39297.52,58917 v1(39297.52,58958) v1(39297.52,59013) v1(39297.52,59074) J61_B.1@39297.52,59117 ; J52_A.2@40337,61276.48 v1(40386,61276.48) J50_A.2@40430.34,61276.48 v1(40479,61276.48) J100_A.2@40525,61276.48 v1(40573,61276.48) J48_A.2@40620,61276.48 ; J48_A.2@40622,61274.48 J48_A.2@40620,61276.48 ; J61_A.1@42437,61276.48 v1(42393,61276.48) v1(42333,61276.48) v1(42279,61276.48) J66_A.2@42237,61276.48 v1(42195,61276.48) v1(42138,61276.48) v1(42080,61276.48) J69_A.1@42037,61276.48 v1(41996,61276.48) v1(41935,61276.48) v1(41880,61276.48) J71_A.1@41837,61276.48 v1(41788,61276.48) J74_A.2@41737,61276.48 v1(41694,61276.48) v1(41614,61276.48) J81_A.1@41569.97,61276.48 v1(41522,61276.48) J82_A.2@41475.31,61276.48 v1(41434,61276.48) J83_A.1@41380.66,61276.48 v1(41337.92,61276.48) J84_A.2@41286,61276.48 v1(41244,61276.48) J40_A.2@41190.31,61276.48 v1(41149,61276.48) J42_A.2@41095.66,61276.48 v1(41055,61276.48) J44_A.2@41001,61276.48 v1(40958,61276.48) J45_A.2@40906.31,61276.48 J46_A.2@40811.66,61276.48 v1(40770,61276.48) J99_A.1@40717,61276.48 v1(40672,61276.48) J48_A.2@40620,61276.48 ; J48_F.2@43770.48,43485 J48_F.2@43772.48,43487 ; J48_G.2@43770.48,49390 J48_G.2@43772.48,49392 ; J48_H.2@43770.48,56870 J48_H.2@43772.48,56872 ; J61_F.1@43772.48,41670 v1(43772.48,41714) v1(43772.48,41774) v1(43772.48,41828) J66_F.2@43772.48,41870 v1(43772.48,41912) v1(43772.48,41969) v1(43772.48,42027) J69_F.1@43772.48,42070 v1(43772.48,42111) v1(43772.48,42172) v1(43772.48,42227) J71_F.1@43772.48,42270 v1(43772.48,42319) J74_F.2@43772.48,42370 v1(43772.48,42413) v1(43772.48,42493) J81_F.1@43772.48,42536.03 v1(43772.48,42585) J82_F.2@43772.48,42630.69 v1(43772.48,42673) J83_F.1@43772.48,42725.34 v1(43772.48,42769.08) J84_F.2@43772.48,42820 v1(43772.48,42863) J40_F.2@43772.48,42916.07 v1(43772.48,42958) J42_F.2@43772.48,43010.72 v1(43772.48,43052) J44_F.2@43772.48,43105.38 v1(43772.48,43149) J45_F.2@43772.48,43200.03 J46_F.2@43772.48,43294.69 v1(43772.48,43337) J99_F.1@43772.48,43389.34 v1(43772.48,43435) J48_F.2@43772.48,43485.69 J48_F.2@43772.48,43487 ; J52_F.2@43772.48,43770 v1(43772.48,43721) J50_F.2@43772.48,43675 v1(43772.48,43628) J100_F.2@43772.48,43580.34 v1(43772.48,43534) J48_F.2@43772.48,43487 ; J61_G.1@43772.48,47575 v1(43772.48,47619) v1(43772.48,47679) v1(43772.48,47733) J66_G.2@43772.48,47775 v1(43772.48,47817) v1(43772.48,47874) v1(43772.48,47932) J69_G.1@43772.48,47975 v1(43772.48,48016) v1(43772.48,48077) v1(43772.48,48132) J71_G.1@43772.48,48175 v1(43772.48,48224) J74_G.2@43772.48,48275 v1(43772.48,48318) v1(43772.48,48398) J81_G.1@43772.48,48441.03 v1(43772.48,48490) J82_G.2@43772.48,48535.69 v1(43772.48,48578) J83_G.1@43772.48,48630.34 v1(43772.48,48674.08) J84_G.2@43772.48,48725 v1(43772.48,48768) J40_G.2@43772.48,48821.07 v1(43772.48,48863) J42_G.2@43772.48,48915.72 v1(43772.48,48957) J44_G.2@43772.48,49010.38 v1(43772.48,49054) J45_G.2@43772.48,49105.03 J46_G.2@43772.48,49199.69 v1(43772.48,49242) J99_G.1@43772.48,49294.34 v1(43772.48,49340) J48_G.2@43772.48,49390.69 J48_G.2@43772.48,49392 ; J52_G.2@43772.48,49675 v1(43772.48,49626) J50_G.2@43772.48,49580 v1(43772.48,49533) J100_G.2@43772.48,49485.34 v1(43772.48,49439) J48_G.2@43772.48,49392 ; J61_H.1@43772.48,55055 v1(43772.48,55099) v1(43772.48,55159) v1(43772.48,55213) J66_H.2@43772.48,55255 v1(43772.48,55297) v1(43772.48,55354) v1(43772.48,55412) J69_H.1@43772.48,55455 v1(43772.48,55496) v1(43772.48,55557) v1(43772.48,55612) J71_H.1@43772.48,55655 v1(43772.48,55704) J74_H.2@43772.48,55755 v1(43772.48,55798) v1(43772.48,55878) J81_H.1@43772.48,55921.03 v1(43772.48,55970) J82_H.2@43772.48,56015.69 v1(43772.48,56058) J83_H.1@43772.48,56110.34 v1(43772.48,56154.08) J84_H.2@43772.48,56205 v1(43772.48,56248) J40_H.2@43772.48,56301.07 v1(43772.48,56343) J42_H.2@43772.48,56395.72 v1(43772.48,56437) J44_H.2@43772.48,56490.38 v1(43772.48,56534) J45_H.2@43772.48,56585.03 J46_H.2@43772.48,56679.69 v1(43772.48,56722) J99_H.1@43772.48,56774.34 v1(43772.48,56820) J48_H.2@43772.48,56870.69 J48_H.2@43772.48,56872 ; J52_H.2@43772.48,57155 v1(43772.48,57106) J50_H.2@43772.48,57060 v1(43772.48,57013) J100_H.2@43772.48,56965.34 v1(43772.48,56919) J48_H.2@43772.48,56872
  Bottom Layer w8: v1(40336,43251) 40328,43259 40328,43515 40399,43586 40410,43586 40611,43787 40621.94,43787 40647.94,43813 v1(42789,43813) ; v1(40336,49156) 40328,49164 40328,49420 40399,49491 40410,49491 40611,49692 40621.94,49692 40647.94,49718 v1(42789,49718) ; v1(40336,56636) 40328,56644 40328,56900 40399,56971 40410,56971 40611,57172 40621.94,57172 40647.94,57198 v1(42789,57198)
  other v1: 40336,52279 39297,52819
SW1_12V_SBAND: H1_A.60 H1_B.60 H1_C.60 H1_D.60 H1_E.60 H1_F.60 H1_G.60 H1_H.60 | length 31937.8
  Top Layer w8: 42512,40069 42495.47,40052.47 42495.47,39753.53 H1_E.60@42537,39712
  Top Layer w12: v1@42476,41608 42486,41618 42486,41666 42480,41672 ; v1@42476,47513 42486,47523 42486,47571 42480,47577 ; v1@42476,54993 42486,55003 42486,55051 42480,55057 ; 42480,46815 42486,46821 42486,46869 v1(42480,46875) ; 42480,54295 42486,54301 42486,54349 v1(42480,54355) ; 42480,59020 42486,59026 42486,59074 v1(42480,59080)
  Top Layer w22: 40177,46966 40200,46943 40236.25,46943 v1@40248.13,46954.87 ; 40177,54446 40200,54423 40236.25,54423 v1@40248.13,54434.87 ; 40177,59171 40200,59148 40236.25,59148 v1@40248.13,59159.87 ; v1@42479.87,40461.13 42468,40449.25 42468,40413 42491,40390 ; v1@42479.87,60325.87 42468,60337.75 42468,60374 42491,60397 ; v1@42822.87,41628.13 42834.75,41640 42871,41640 42894,41617 ; v1@42822.87,47533.13 42834.75,47545 42871,47545 42894,47522 ; v1@42822.87,55013.13 42834.75,55025 42871,55025 42894,55002
  Top Layer w24: H1_D.60@39798,47012 39823,46987 39972,46987 39984,46975 40012.6,46975 40021.6,46966 40177,46966 ; H1_C.60@39798,54492 39823,54467 39972,54467 39984,54455 40012.6,54455 40021.6,54446 40177,54446 ; H1_B.60@39798,59217 39823,59192 39972,59192 39984,59180 40012.6,59180 40021.6,59171 40177,59171 ; v1(42480,40461) v1(42480,41608) ; 42480,41672 42480,46815 ; v1(42480,46875) v1(42480,47513) ; 42480,47573 42480,47577 42480,54294 ; v1(42480,54355) v1(42480,54993) ; 42480,55053 42480,55057 42480,59020 ; v1(42480,59080) v1(42480,60326) ; 42491,40390 42491,40234.6 42500,40225.6 42500,40197 42512,40185 42512,40069 ; 42491,60397 42491,60552.4 42500,60561.4 42500,60590 42512,60602 42512,60751 H1_A.60@42537,60776 ; 42894,41617 43049.4,41617 43058.4,41608 43087,41608 43099,41596 43248,41596 H1_F.60@43273,41571 ; 42894,47522 43049.4,47522 43058.4,47513 43087,47513 43099,47501 43248,47501 H1_G.60@43273,47476 ; 42894,55002 43049.4,55002 43058.4,54993 43087,54993 43099,54981 43248,54981 H1_H.60@43273,54956
  Bottom Layer w22: v1(42480,41608) 42500,41628 v1(42823,41628) ; v1(42480,47513) 42500,47533 v1(42823,47533) ; v1(42480,54993) 42500,55013 v1(42823,55013)
  Bottom Layer w24: v1(40248,46955) 42400,46955 v1(42480,46875) ; v1(40248,54435) 42400,54435 v1(42480,54355) ; v1(40248,59160) 42400,59160 v1(42480,59080)
SW2_12V: H1_A.62 H1_B.62 H1_C.62 H1_D.62 H1_E.62 H1_F.62 H1_G.62 H1_H.62 | length 31876.1
  Top Layer w8: 42412,40069 42395.47,40052.47 42395.47,39753.53 H1_E.62@42437,39712
  Top Layer w12: v1(42380,41708) 42386,41714 42386,41762 42380,41768 ; 42380,46755 42386,46761 42386,46809 v1(42380,46815) ; v1(42380,47613) 42386,47619 42386,47667 42380,47673 ; 42380,54235 42386,54241 42386,54289 v1(42380,54295) ; v1(42380,55093) 42386,55099 42386,55147 42380,55153 ; 42380,58960 42386,58966 42386,59014 v1(42380,59020)
  Top Layer w22: 40177,46866 40200,46843 40236.25,46843 v1@40248.13,46854.87 ; 40177,54346 40200,54323 40236.25,54323 v1@40248.13,54334.87 ; 40177,59071 40200,59048 40236.25,59048 v1@40248.13,59059.87 ; v1@42379.87,40461.13 42368,40449.25 42368,40413 42391,40390 ; v1@42379.87,60325.87 42368,60337.75 42368,60374 42391,60397 ; v1@42822.87,41728.13 42834.75,41740 42871,41740 42894,41717 ; v1@42822.87,47633.13 42834.75,47645 42871,47645 42894,47622 ; v1@42822.87,55113.13 42834.75,55125 42871,55125 42894,55102
  Top Layer w24: H1_D.62@39798,46912 39823,46887 39972,46887 39984,46875 40012.6,46875 40021.6,46866 40177,46866 ; H1_C.62@39798,54392 39823,54367 39972,54367 39984,54355 40012.6,54355 40021.6,54346 40177,54346 ; H1_B.62@39798,59117 39823,59092 39972,59092 39984,59080 40012.6,59080 40021.6,59071 40177,59071 ; v1(42380,40461) v1(42380,41708) ; 42380,41768 42380,46755 ; v1(42380,46815) v1(42380,47613) ; 42380,47673 42380,54235 ; v1(42380,54295) v1(42380,55093) ; 42380,55153 42380,58960 ; v1(42380,59020) v1(42380,60326) ; 42391,40390 42391,40234.6 42400,40225.6 42400,40197 42412,40185 42412,40069 ; 42391,60397 42391,60552.4 42400,60561.4 42400,60590 42412,60602 42412,60751 H1_A.62@42437,60776 ; 42894,41717 43049.4,41717 43058.4,41708 43087,41708 43099,41696 43248,41696 H1_F.62@43273,41671 ; 42894,47622 43049.4,47622 43058.4,47613 43087,47613 43099,47601 43248,47601 H1_G.62@43273,47576 ; 42894,55102 43049.4,55102 43058.4,55093 43087,55093 43099,55081 43248,55081 H1_H.62@43273,55056
  Bottom Layer w24: v1(40248,46855) 42340,46855 v1(42380,46815) ; v1(40248,54335) 42340,54335 v1(42380,54295) ; v1(40248,59060) 42340,59060 v1(42380,59020) ; v1(42380,41708) 42400,41728 v1(42823,41728) ; v1(42380,47613) 42400,47633 v1(42823,47633) ; v1(42380,55093) 42400,55113 v1(42823,55113)
SW3_BAT_2SMARD: H1_A.63 H1_B.63 H1_C.63 H1_D.63 H1_E.63 H1_F.63 H1_G.63 H1_H.63 | length 32663.1
  Top Layer w8: 42304,58968 42304,59011 42312,59019 ; 42312,41728 42304,41736 42304,41780 v1(42312,41788) ; v1(42312,46754) 42304,46762 42304,46807 42312,46815 ; 42312,47633 42304,47641 42304,47685 v1(42312,47693) ; v1(42312,54234) 42304,54242 42304,54287 42312,54295 ; 42312,55113 42304,55121 42304,55165 v1(42312,55173)
  Top Layer w16: v1(42300,40436) 42309,40445 42309,40475 42312,40478 42312,40483 ; v1(42300,60351) 42309,60342 42309,60312 42312,60309 42312,60304
  Top Layer w24: 42312,40483 42312,41728 ; v1(42312,41788) v1(42312,46754) ; 42312,46825 42312,47633 ; v1(42312,47693) v1(42312,54234) ; 42312,54295 42312,55113 ; v1(42312,55173) v1(42312,58959) ; 42312,59019 42312,60304
  Bottom Layer w8: H1_D.63@39698,46812 39735,46812 39777.53,46854.53 39823.47,46854.53 39833,46845 39848,46845 ; H1_C.63@39698,54292 39735,54292 39777.53,54334.53 39823.47,54334.53 39833,54325 39848,54325 ; H1_B.63@39698,59017 39735,59017 39776.53,59058.53 39824.47,59058.53 39833,59050 39848,59050 ; H1_E.63@42337,39812 42378.53,39853.53 42378.53,40052.47 42370,40061 ; H1_A.63@42337,60876 42337,60839 42378.53,60797.47 42378.53,60749.53 42370,60741 42370,60726 ; 43223,41738 43238,41738 43247.53,41728.47 43293.47,41728.47 43336,41771 H1_F.63@43373,41771 ; 43223,47643 43238,47643 43247.53,47633.47 43293.47,47633.47 43336,47676 H1_G.63@43373,47676 ; 43223,55123 43238,55123 43247.53,55113.47 43293.47,55113.47 43336,55156 H1_H.63@43373,55156
  Bottom Layer w16: v1(40223,46775) 40232,46784 40262,46784 ; v1(40223,54255) 40232,54264 40262,54264 ; v1(40223,58980) 40232,58989 40262,58989 ; 40265,58992 40270,58992 ; 42801,41796 42806,41796 ; 42801,47701 42806,47701 ; 42801,55181 42806,55181 ; 42809,41799 42839,41799 v1(42848,41808) ; 42809,47704 42839,47704 v1(42848,47713) ; 42809,55184 42839,55184 v1(42848,55193)
  Bottom Layer w22: 40208,46760 v1(40223,46775) ; 40208,54240 v1(40223,54255) ; 40208,58965 v1(40223,58980) ; 42285,40421 v1(42300,40436) ; 42285,60366 v1(42300,60351) ; v1(42848,41808) 42863,41823 ; v1(42848,47713) 42863,47728 ; v1(42848,55193) 42863,55208
  Bottom Layer w24: 39848,46845 40068,46845 40153,46760 40208,46760 ; 39848,54325 40068,54325 40153,54240 40208,54240 ; 39848,59050 40068,59050 40153,58965 40208,58965 ; 40270,46787 42279,46787 v1(42312,46754) ; 40270,54267 42279,54267 v1(42312,54234) ; 40270,58992 42279,58992 v1(42312,58959) ; 42285,40421 42285,40366 42370,40281 42370,40061 ; 42285,60366 42285,60421 42370,60506 42370,60726 ; v1(42312,41788) 42320,41796 42801,41796 ; v1(42312,47693) 42320,47701 42801,47701 ; v1(42312,55173) 42320,55181 42801,55181 ; 42863,41823 42918,41823 43003,41738 43223,41738 ; 42863,47728 42918,47728 43003,47643 43223,47643 ; 42863,55208 42918,55208 43003,55123 43223,55123